# Altium PCB CC_V1.4.PcbDoc (part 5 of 8)
Units mm, origin at the board's own origin, x right, y up, seen from the top; angles counter-clockwise.
Board outline 145 x 123.85 mm, 4 copper layers (Top, GND, Power Plane, Bottom), stack 1.573 mm thick; 334 components, 307 nets, 1570 pads, 1725 vias.
Unrouted connection lines stored in the file: 33.
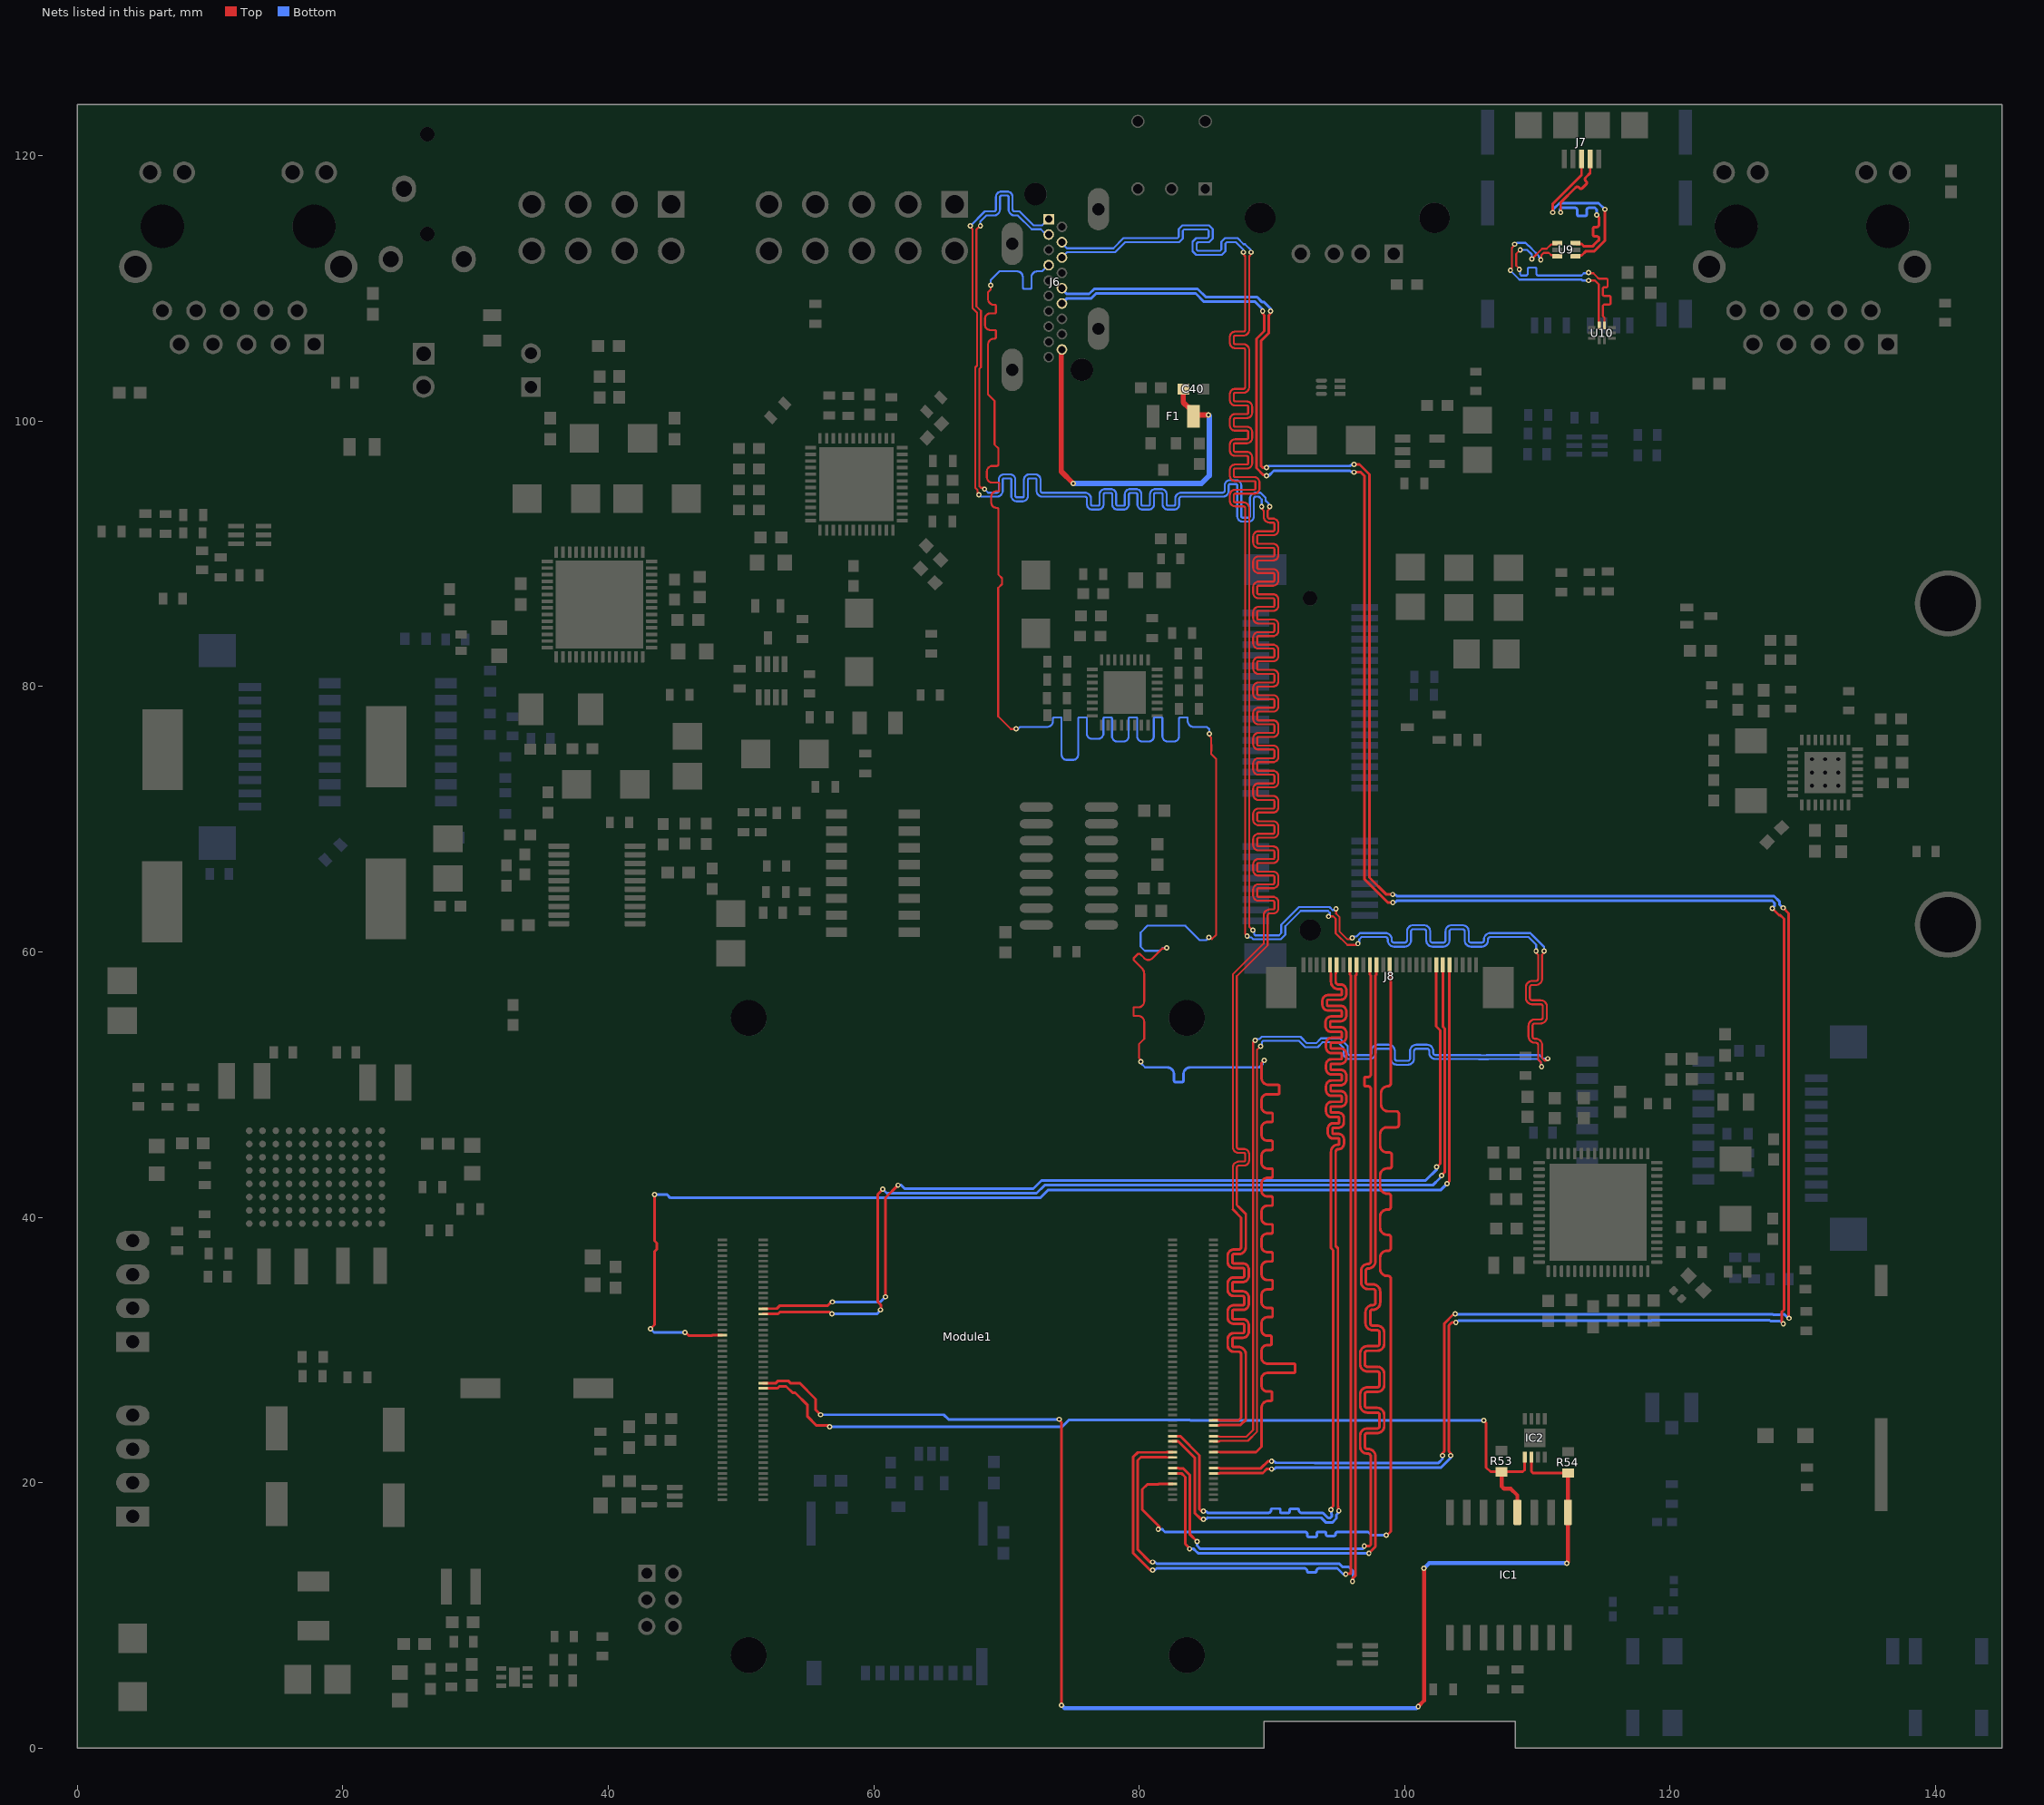
[diagram p7: the nets of this part, all layers, seen from the top]

## Via types
v1: diameter 0.4, hole 0.2, Top to Bottom, 1319 vias
v2: diameter 0.7, hole 0.4, Top to Bottom, 378 vias
v3: diameter 1.27, hole 0.711, Top to Bottom, 28 vias

## Nets (pads, with @x,y where several pads share a name; then routed paths per layer and width w, separated by ;. In a path a pad name is that pad's centre, name@x,y a point inside that pad or via, vN(x,y) a via of type N, cw(c..) or ccw(c..) an arc to the next point about the centre after c; other vN are vias at no path point) (continued)
HDMI_TX_0_P: J6.7 Module1.182 | length 181.7
  Top w0.15: v1(68.808,110.228) 68.808,109.904 68.608,109.704 68.608,109.436 68.608,109.211 ccw(c69.058,109.211) 69.058,108.761 69.104,108.761 cw(c69.104,108.663) 69.202,108.663 69.202,108.208 cw(c69.104,108.208) 69.104,108.111 68.776,108.111 ccw(c68.776,107.713) 68.379,107.713 68.379,107.258 ccw(c68.776,107.258) 68.776,106.861 69.104,106.861 cw(c69.104,106.764) 69.202,106.764 69.202,106.309 cw(c69.104,106.309) 69.104,106.211 69.058,106.211 ccw(c69.058,105.761) 68.608,105.761 68.608,102.015 69.102,101.522 69.102,100.365 69.102,100.272 69.096,100.266 69.096,98.229 69.387,97.939 69.4,97.926 69.4,96.764 cw(c69.25,96.764) 69.25,96.614 68.919,96.614 ccw(c68.919,96.217) 68.521,96.217 68.521,95.762 ccw(c68.919,95.762) 68.919,95.364 69.371,95.364 cw(c69.371,95.267) 69.468,95.267 69.468,94.812 cw(c69.371,94.812) 69.371,94.714 69.247,94.714 ccw(c69.247,94.317) 68.849,94.317 68.849,93.862 ccw(c69.247,93.862) 69.247,93.464 69.25,93.464 cw(c69.25,93.314) 69.4,93.314 69.4,88.423 69.667,88.157 69.667,87.718 69.377,87.429 69.377,78.745 69.377,78.458 69.377,77.749 70.326,76.8 v1(70.725,76.8) ; 79.886,59.825 79.611,59.551 ccw(c79.703,59.458) 79.611,59.366 79.879,59.098 80.191,58.786 ; 79.886,59.825 cw(c79.978,59.734) 80.07,59.826 ; 80.071,59.825 80.367,59.529 ccw(c80.686,59.847) 81.004,59.529 81.493,60.018 ccw(c81.387,60.124) 81.494,60.019 81.652,60.177 81.73,60.255 82.022,60.255 v1(82.07,60.303) ; v1(80.125,51.725) 80.125,51.873 79.975,52.023 79.975,52.6 79.975,53.05 80.375,53.45 80.375,54.725 ccw(c79.925,54.725) 79.925,55.175 79.573,55.175 79.573,55.825 79.925,55.825 ccw(c79.925,56.275) 80.375,56.275 80.375,56.858 80.375,57.874 80.375,58.342 ; 80.192,58.785 cw(c79.747,58.342) 80.375,58.343 ; v1(85.254,61.103) 85.347,61.103 85.475,60.975 85.788,61.288 85.788,74.538 85.425,74.901 85.425,75.152 85.429,75.156 85.429,75.594 85.425,75.598 85.425,76.127 85.275,76.277 v1(85.275,76.425)
  Top w0.2: Module1.182@85.584,22.32 86.034,22.32 86.059,22.295 88.792,22.295 89.205,22.708 89.205,22.742 89.205,25.625 cw(c89.755,25.625) 89.755,26.175 89.899,26.175 ccw(c89.899,26.28) 90.004,26.28 90.004,26.77 ccw(c89.899,26.77) 89.899,26.875 89.66,26.875 cw(c89.66,27.33) 89.205,27.33 89.205,27.82 cw(c89.66,27.82) 89.66,28.275 91.64,28.275 ccw(c91.64,28.38) 91.745,28.38 91.745,28.87 ccw(c91.64,28.87) 91.64,28.975 89.66,28.975 cw(c89.66,29.43) 89.205,29.43 89.205,29.92 cw(c89.66,29.92) 89.66,30.375 89.866,30.375 ccw(c89.866,30.48) 89.971,30.48 89.971,30.97 ccw(c89.866,30.97) 89.866,31.075 89.66,31.075 cw(c89.66,31.53) 89.205,31.53 89.205,32.02 cw(c89.66,32.02) 89.66,32.475 89.941,32.475 ccw(c89.941,32.58) 90.046,32.58 90.046,33.07 ccw(c89.941,33.07) 89.941,33.175 89.66,33.175 cw(c89.66,33.63) 89.205,33.63 89.205,34.12 cw(c89.66,34.12) 89.66,34.575 89.941,34.575 ccw(c89.941,34.68) 90.046,34.68 90.046,35.17 ccw(c89.941,35.17) 89.941,35.275 89.66,35.275 cw(c89.66,35.73) 89.205,35.73 89.205,36.22 cw(c89.66,36.22) 89.66,36.675 89.941,36.675 ccw(c89.941,36.78) 90.046,36.78 90.046,37.27 ccw(c89.941,37.27) 89.941,37.375 89.66,37.375 cw(c89.66,37.83) 89.205,37.83 89.205,38.32 cw(c89.66,38.32) 89.66,38.775 89.941,38.775 ccw(c89.941,38.88) 90.046,38.88 90.046,39.37 ccw(c89.941,39.37) 89.941,39.475 89.66,39.475 cw(c89.66,39.93) 89.205,39.93 89.205,40.42 cw(c89.66,40.42) 89.66,40.875 89.941,40.875 ccw(c89.941,40.98) 90.046,40.98 90.046,41.47 ccw(c89.941,41.47) 89.941,41.575 89.66,41.575 cw(c89.66,42.03) 89.205,42.03 89.205,42.52 cw(c89.66,42.52) 89.66,42.975 89.941,42.975 ccw(c89.941,43.08) 90.046,43.08 90.046,43.57 ccw(c89.941,43.57) 89.941,43.675 89.66,43.675 cw(c89.66,44.13) 89.205,44.13 89.205,44.62 cw(c89.66,44.62) 89.66,45.075 89.941,45.075 ccw(c89.941,45.18) 90.046,45.18 90.046,45.67 ccw(c89.941,45.67) 89.941,45.775 89.66,45.775 cw(c89.66,46.23) 89.205,46.23 89.205,46.72 cw(c89.66,46.72) 89.66,47.175 89.941,47.175 ccw(c89.941,47.28) 90.046,47.28 90.046,47.77 ccw(c89.941,47.77) 89.941,47.875 89.66,47.875 cw(c89.66,48.33) 89.205,48.33 89.205,48.82 cw(c89.66,48.82) 89.66,49.275 90.445,49.275 ccw(c90.445,49.38) 90.55,49.38 90.55,49.87 ccw(c90.445,49.87) 90.445,49.975 89.755,49.975 cw(c89.755,50.525) 89.205,50.525 89.205,50.8 89.205,51.623 v1(89.416,51.834)
  Bottom w0.15: v1(68.808,110.228) 68.808,110.627 69.407,111.227 69.468,111.287 69.632,111.287 ; 69.632,111.288 70.78,111.288 cw(c70.78,110.838) 71.23,110.838 71.23,110.062 ccw(c71.327,110.062) 71.327,109.965 71.782,109.965 ccw(c71.782,110.062) 71.88,110.062 71.88,110.838 cw(c72.33,110.838) 72.33,111.288 72.555,111.288 72.698,111.288 J6.7@73.125,111.715 ; v1(70.725,76.8) 70.873,76.8 71.023,76.95 71.65,76.95 71.712,76.95 71.999,76.95 73.05,76.95 ccw(c73.05,77.4) 73.5,77.4 73.5,77.578 cw(c73.598,77.578) 73.598,77.675 74.053,77.675 cw(c74.053,77.578) 74.15,77.578 74.15,74.864 ccw(c74.548,74.864) 74.548,74.466 75.003,74.466 ccw(c75.003,74.864) 75.4,74.864 75.4,77.578 cw(c75.498,77.578) 75.498,77.675 75.953,77.675 cw(c75.953,77.578) 76.05,77.578 76.05,76.451 ccw(c76.448,76.451) 76.448,76.054 76.903,76.054 ccw(c76.903,76.451) 77.3,76.451 77.3,77.578 cw(c77.398,77.578) 77.398,77.675 77.853,77.675 cw(c77.853,77.578) 77.95,77.578 77.95,76.247 ccw(c78.348,76.247) 78.348,75.85 78.803,75.85 ccw(c78.803,76.247) 79.2,76.247 79.2,77.578 cw(c79.298,77.578) 79.298,77.675 79.753,77.675 cw(c79.753,77.578) 79.85,77.578 79.85,76.247 ccw(c80.248,76.247) 80.248,75.85 80.703,75.85 ccw(c80.703,76.247) 81.1,76.247 81.1,77.578 cw(c81.198,77.578) 81.198,77.675 81.653,77.675 cw(c81.653,77.578) 81.75,77.578 81.75,76.247 ccw(c82.148,76.247) 82.148,75.85 82.603,75.85 ccw(c82.603,76.247) 83,76.247 83,77.578 ; v1(80.125,51.725) 80.125,51.626 80.45,51.301 ; v1(82.07,60.303) 82.066,60.299 81.774,60.299 81.558,60.083 80.418,60.083 80.1,60.401 80.1,61.449 80.626,61.975 83.464,61.975 83.475,61.964 84.55,60.889 84.795,60.889 85.04,60.889 v1(85.254,61.103) ; 83,77.578 cw(c83.098,77.578) 83.098,77.675 83.553,77.675 cw(c83.553,77.578) 83.65,77.578 83.65,77.4 ccw(c84.1,77.4) 84.1,76.95 85.1,76.95 85.275,76.775 v1(85.275,76.425)
  Bottom w0.2: 80.45,51.301 80.75,51.301 82.075,51.301 cw(c82.075,50.751) 82.625,50.751 82.625,50.303 ccw(c82.73,50.303) 82.73,50.198 83.22,50.198 ccw(c83.22,50.303) 83.325,50.303 83.325,50.751 cw(c83.875,50.751) 83.875,51.301 84.574,51.301 84.674,51.301 88.83,51.301 89.059,51.301 89.286,51.527 89.286,51.704 v1(89.416,51.834)
HDMI_TX_1_N: J6.6 Module1.178 | length 187.6
  Top w0.15: Module1.178@85.591,23.11 86.016,23.11 86.066,23.16 88.185,23.16 88.88,23.856 88.88,52.525 88.88,52.63 v1(89.15,52.9) ; v1(87.835,112.715) 87.835,112.567 87.985,112.417 87.985,106.893 cw(c87.835,106.893) 87.835,106.743 87.226,106.743 ccw(c87.226,106.345) 86.829,106.345 86.829,105.89 ccw(c87.226,105.89) 87.226,105.493 87.835,105.493 cw(c87.835,105.343) 87.985,105.343 87.985,104.927 87.985,102.578 cw(c87.835,102.578) 87.835,102.428 87.226,102.428 ccw(c87.226,102.031) 86.829,102.031 86.829,101.576 ccw(c87.226,101.576) 87.226,101.178 88.108,101.178 cw(c88.108,101.081) 88.205,101.081 88.205,100.626 cw(c88.108,100.626) 88.108,100.528 87.226,100.528 ccw(c87.226,100.131) 86.829,100.131 86.829,99.676 ccw(c87.226,99.676) 87.226,99.278 88.108,99.278 cw(c88.108,99.181) 88.205,99.181 88.205,98.726 cw(c88.108,98.726) 88.108,98.628 87.226,98.628 ccw(c87.226,98.231) 86.829,98.231 86.829,97.776 ccw(c87.226,97.776) 87.226,97.378 88.108,97.378 cw(c88.108,97.281) 88.205,97.281 88.205,96.826 cw(c88.108,96.826) 88.108,96.728 87.226,96.728 ccw(c87.226,96.331) 86.829,96.331 86.829,95.876 ccw(c87.226,95.876) 87.226,95.478 88.659,95.478 cw(c88.659,95.381) 88.756,95.381 88.756,94.926 cw(c88.659,94.926) 88.659,94.828 87.226,94.828 ccw(c87.226,94.431) 86.829,94.431 86.829,93.976 ccw(c87.226,93.976) 87.226,93.578 87.835,93.578 cw(c87.835,93.428) 87.985,93.428 87.985,93.203 87.985,61.349 v1(88.13,61.204) ; v1(94.255,62.678) 94.617,62.678 94.798,62.498 94.798,61.402 95.679,60.521 96.37,60.521 v1(96.474,60.626) ; v1(109.9,60.075) 109.9,59.927 110.05,59.777 110.05,59.654 110.05,57.979 cw(c109.878,57.979) 109.878,57.807 109.597,57.807 ccw(c109.597,57.334) 109.125,57.334 109.125,56.529 ccw(c109.597,56.529) 109.597,56.057 110.234,56.057 cw(c110.234,55.884) 110.406,55.884 110.406,55.079 cw(c110.234,55.079) 110.234,54.907 109.801,54.907 ccw(c109.801,54.434) 109.329,54.434 109.329,53.629 ccw(c109.801,53.629) 109.801,53.157 109.878,53.157 cw(c109.878,52.984) 110.05,52.984 110.05,52.251 110.05,51.901 110.264,51.687 110.264,51.389 v1(110.312,51.341)
  Bottom w0.15: J6.6@74.177,112.244 74.177,112.344 74.552,112.72 78.176,112.72 78.94,113.483 82.714,113.483 83.001,113.483 83.276,113.757 83.276,114.342 83.374,114.441 85.136,114.441 85.235,114.342 85.235,113.882 85.136,113.783 84.297,113.783 84.022,113.508 84.022,112.799 84.297,112.525 86.218,112.525 86.493,112.799 86.493,113.384 86.591,113.483 86.754,113.483 87.287,113.483 87.835,112.935 v1(87.835,112.715) ; v1(88.13,61.204) 88.235,61.099 88.447,61.099 88.598,60.948 90.647,60.948 91,61.301 91,61.926 92.162,63.088 94.212,63.088 94.35,62.95 94.35,62.773 v1(94.255,62.678) ; v1(89.15,52.9) 89.255,53.005 89.255,53.217 89.344,53.306 92.022,53.306 92.507,52.821 93.445,52.821 93.812,53.188 94.987,53.188 95.4,52.775 95.4,52.201 95.596,52.004 95.678,51.923 95.821,51.923 ; 95.821,51.923 97.33,51.923 ccw(c97.33,52.395) 97.803,52.395 97.803,52.532 cw(c97.975,52.532) 97.975,52.705 98.78,52.705 cw(c98.78,52.532) 98.953,52.532 98.953,51.967 ccw(c99.425,51.967) 99.425,51.494 100.23,51.494 ccw(c100.23,51.967) 100.703,51.967 100.703,52.532 cw(c100.875,52.532) 100.875,52.705 101.68,52.705 cw(c101.68,52.532) 101.853,52.532 101.853,52.395 ccw(c102.325,52.395) 102.325,51.923 105.589,51.923 105.597,51.914 106.284,51.914 106.293,51.923 109.8,51.923 110.023,51.923 110.264,51.682 110.264,51.389 v1(110.312,51.341) ; v1(96.474,60.626) 96.579,60.73 96.579,60.943 96.756,61.119 96.875,61.119 98.55,61.119 cw(c98.55,60.947) 98.723,60.947 98.723,60.869 ccw(c99.195,60.869) 99.195,60.397 100,60.397 ccw(c100,60.869) 100.473,60.869 100.473,61.54 cw(c100.645,61.54) 100.645,61.713 101.45,61.713 cw(c101.45,61.54) 101.622,61.54 101.622,60.869 ccw(c102.095,60.869) 102.095,60.397 102.9,60.397 ccw(c102.9,60.869) 103.372,60.869 103.372,61.54 cw(c103.545,61.54) 103.545,61.713 104.35,61.713 cw(c104.35,61.54) 104.522,61.54 104.522,60.869 ccw(c104.995,60.869) 104.995,60.397 105.8,60.397 ccw(c105.8,60.869) 106.272,60.869 106.272,60.947 cw(c106.445,60.947) 106.445,61.119 109.331,61.119 109.363,61.087 109.65,60.8 109.9,60.55 v1(109.9,60.075)
HDMI_TX_1_P: J6.4 Module1.176 | length 188.1
  Top w0.15: Module1.176@85.591,23.51 86.016,23.51 86.066,23.46 88.06,23.46 88.58,23.98 88.58,52.55 88.58,53.178 v1(88.726,53.324) ; v1(88.435,112.715) 88.435,112.567 88.285,112.417 88.285,106.893 cw(c87.835,106.893) 87.835,106.443 87.226,106.443 ccw(c87.226,106.345) 87.129,106.345 87.129,105.89 ccw(c87.226,105.89) 87.226,105.793 87.835,105.793 cw(c87.835,105.343) 88.285,105.343 88.285,104.927 88.285,102.578 cw(c87.835,102.578) 87.835,102.128 87.226,102.128 ccw(c87.226,102.031) 87.129,102.031 87.129,101.576 ccw(c87.226,101.576) 87.226,101.478 88.108,101.478 cw(c88.108,101.081) 88.505,101.081 88.505,100.626 cw(c88.108,100.626) 88.108,100.228 87.226,100.228 ccw(c87.226,100.131) 87.129,100.131 87.129,99.676 ccw(c87.226,99.676) 87.226,99.578 88.108,99.578 cw(c88.108,99.181) 88.505,99.181 88.505,98.726 cw(c88.108,98.726) 88.108,98.328 87.226,98.328 ccw(c87.226,98.231) 87.129,98.231 87.129,97.776 ccw(c87.226,97.776) 87.226,97.678 88.108,97.678 cw(c88.108,97.281) 88.505,97.281 88.505,96.826 cw(c88.108,96.826) 88.108,96.428 87.226,96.428 ccw(c87.226,96.331) 87.129,96.331 87.129,95.876 ccw(c87.226,95.876) 87.226,95.778 88.659,95.778 cw(c88.659,95.381) 89.056,95.381 89.056,94.926 cw(c88.659,94.926) 88.659,94.528 87.226,94.528 ccw(c87.226,94.431) 87.129,94.431 87.129,93.976 ccw(c87.226,93.976) 87.226,93.878 87.835,93.878 cw(c87.835,93.428) 88.285,93.428 88.285,93.203 88.285,61.897 v1(88.554,61.628) ; v1(94.83,63.253) 94.83,62.89 95.098,62.622 95.098,61.526 95.662,60.962 95.962,60.962 v1(96.05,61.05) ; v1(110.5,60.075) 110.5,59.927 110.35,59.777 110.35,59.654 110.35,57.979 cw(c109.878,57.979) 109.878,57.507 109.597,57.507 ccw(c109.597,57.334) 109.425,57.334 109.425,56.529 ccw(c109.597,56.529) 109.597,56.357 110.234,56.357 cw(c110.234,55.884) 110.706,55.884 110.706,55.079 cw(c110.234,55.079) 110.234,54.607 109.801,54.607 ccw(c109.801,54.434) 109.629,54.434 109.629,53.629 ccw(c109.801,53.629) 109.801,53.457 109.878,53.457 cw(c109.878,52.984) 110.35,52.984 110.35,52.251 110.35,52.025 110.575,51.8 110.628,51.8 v1(110.78,51.953)
  Bottom w0.15: J6.4@74.125,113.447 74.552,113.019 74.872,113.019 75.191,113.019 76.461,113.019 78.052,113.019 78.815,113.783 79.786,113.783 82.714,113.783 82.877,113.783 82.976,113.882 82.976,114.466 83.25,114.741 85.26,114.741 85.535,114.466 85.535,113.757 85.26,113.483 84.421,113.483 84.322,113.384 84.322,112.924 84.421,112.825 86.094,112.825 86.193,112.924 86.193,113.508 86.467,113.783 86.754,113.783 87.411,113.783 87.867,113.327 87.971,113.327 88.387,112.911 88.387,112.763 v1(88.435,112.715) ; v1(88.554,61.628) 88.659,61.523 88.659,61.311 88.723,61.248 90.523,61.248 90.7,61.425 90.7,62.05 92.038,63.388 94.336,63.388 94.562,63.162 94.739,63.162 v1(94.83,63.253) ; v1(88.726,53.324) 88.83,53.429 89.043,53.429 89.22,53.606 92.146,53.606 92.631,53.121 93.321,53.121 93.688,53.488 95.111,53.488 95.596,53.003 95.7,52.899 95.7,52.325 95.802,52.223 95.821,52.223 ; 95.821,52.223 97.33,52.223 ccw(c97.33,52.395) 97.503,52.395 97.503,52.532 cw(c97.975,52.532) 97.975,53.005 98.78,53.005 cw(c98.78,52.532) 99.253,52.532 99.253,51.967 ccw(c99.425,51.967) 99.425,51.794 100.23,51.794 ccw(c100.23,51.967) 100.403,51.967 100.403,52.532 cw(c100.875,52.532) 100.875,53.005 101.68,53.005 cw(c101.68,52.532) 102.153,52.532 102.153,52.395 ccw(c102.325,52.395) 102.325,52.223 105.713,52.223 105.722,52.214 106.16,52.214 106.169,52.223 109.8,52.223 110.147,52.223 110.418,51.953 v1(110.78,51.953) ; v1(96.05,61.05) 96.155,61.155 96.367,61.155 96.631,61.419 96.875,61.419 98.55,61.419 cw(c98.55,60.947) 99.023,60.947 99.023,60.869 ccw(c99.195,60.869) 99.195,60.697 100,60.697 ccw(c100,60.869) 100.173,60.869 100.173,61.54 cw(c100.645,61.54) 100.645,62.013 101.45,62.013 cw(c101.45,61.54) 101.922,61.54 101.922,60.869 ccw(c102.095,60.869) 102.095,60.697 102.9,60.697 ccw(c102.9,60.869) 103.072,60.869 103.072,61.54 cw(c103.545,61.54) 103.545,62.013 104.35,62.013 cw(c104.35,61.54) 104.822,61.54 104.822,60.869 ccw(c104.995,60.869) 104.995,60.697 105.8,60.697 ccw(c105.8,60.869) 105.972,60.869 105.972,60.947 cw(c106.445,60.947) 106.445,61.419 109.455,61.419 109.575,61.299 109.65,61.224 110.5,60.374 v1(110.5,60.075)
HDMI_TX_2_N: J6.3 Module1.172 | length 193.5
  Top w0.15: 67.95,95.099 68.07,94.98 68.245,94.98 v1(68.35,94.875) ; 67.95,95.1 67.95,101.775 67.95,102.711 67.95,103.928 68.079,104.057 68.079,108.299 67.733,108.645 67.733,112.323 67.733,114.342 67.733,114.441 68.008,114.716 v1(68.036,114.716) ; 87.445,40.836 87.35,40.93 87.35,43.75 cw(c87.5,43.75) 87.5,43.9 87.882,43.9 ccw(c87.882,44.298) 88.28,44.298 88.28,44.753 ccw(c87.882,44.753) 87.882,45.15 87.5,45.15 cw(c87.5,45.3) 87.35,45.3 87.35,58.176 89.675,60.501 89.675,62.75 cw(c89.825,62.75) 89.825,62.9 90.082,62.9 ccw(c90.082,63.298) 90.48,63.298 90.48,63.753 ccw(c90.082,63.753) 90.082,64.15 88.982,64.15 cw(c88.982,64.248) 88.885,64.248 88.885,64.703 cw(c88.982,64.703) 88.982,64.8 90.082,64.8 ccw(c90.082,65.198) 90.48,65.198 90.48,65.653 ccw(c90.082,65.653) 90.082,66.05 88.982,66.05 cw(c88.982,66.148) 88.885,66.148 88.885,66.603 cw(c88.982,66.603) 88.982,66.7 90.082,66.7 ccw(c90.082,67.098) 90.48,67.098 90.48,67.553 ccw(c90.082,67.553) 90.082,67.95 88.982,67.95 cw(c88.982,68.048) 88.885,68.048 88.885,68.503 cw(c88.982,68.503) 88.982,68.6 90.082,68.6 ccw(c90.082,68.998) 90.48,68.998 90.48,69.453 ccw(c90.082,69.453) 90.082,69.85 88.982,69.85 cw(c88.982,69.948) 88.885,69.948 88.885,70.403 cw(c88.982,70.403) 88.982,70.5 90.082,70.5 ccw(c90.082,70.898) 90.48,70.898 90.48,71.353 ccw(c90.082,71.353) 90.082,71.75 88.982,71.75 cw(c88.982,71.848) 88.885,71.848 88.885,72.303 cw(c88.982,72.303) 88.982,72.4 90.082,72.4 ccw(c90.082,72.798) 90.48,72.798 90.48,73.253 ccw(c90.082,73.253) 90.082,73.65 88.982,73.65 cw(c88.982,73.748) 88.885,73.748 88.885,74.203 cw(c88.982,74.203) 88.982,74.3 90.082,74.3 ccw(c90.082,74.698) 90.48,74.698 90.48,75.153 ccw(c90.082,75.153) 90.082,75.55 88.982,75.55 cw(c88.982,75.648) 88.885,75.648 88.885,76.103 cw(c88.982,76.103) 88.982,76.2 90.082,76.2 ccw(c90.082,76.598) 90.48,76.598 90.48,77.053 ccw(c90.082,77.053) 90.082,77.45 88.982,77.45 cw(c88.982,77.548) 88.885,77.548 88.885,78.003 cw(c88.982,78.003) 88.982,78.1 90.082,78.1 ccw(c90.082,78.498) 90.48,78.498 90.48,78.953 ccw(c90.082,78.953) 90.082,79.35 88.982,79.35 cw(c88.982,79.448) 88.885,79.448 88.885,79.903 cw(c88.982,79.903) 88.982,80 90.082,80 ccw(c90.082,80.398) 90.48,80.398 90.48,80.853 ccw(c90.082,80.853) 90.082,81.25 88.982,81.25 cw(c88.982,81.348) 88.885,81.348 88.885,81.803 cw(c88.982,81.803) 88.982,81.9 90.082,81.9 ccw(c90.082,82.298) 90.48,82.298 90.48,82.753 ccw(c90.082,82.753) 90.082,83.15 88.982,83.15 cw(c88.982,83.248) 88.885,83.248 88.885,83.703 cw(c88.982,83.703) 88.982,83.8 90.082,83.8 ccw(c90.082,84.198) 90.48,84.198 90.48,84.653 ccw(c90.082,84.653) 90.082,85.05 88.982,85.05 cw(c88.982,85.148) 88.885,85.148 88.885,85.603 cw(c88.982,85.603) 88.982,85.7 90.082,85.7 ccw(c90.082,86.098) 90.48,86.098 90.48,86.553 ccw(c90.082,86.553) 90.082,86.95 88.982,86.95 cw(c88.982,87.048) 88.885,87.048 88.885,87.503 cw(c88.982,87.503) 88.982,87.6 90.082,87.6 ccw(c90.082,87.998) 90.48,87.998 90.48,88.453 ccw(c90.082,88.453) 90.082,88.85 88.982,88.85 cw(c88.982,88.948) 88.885,88.948 88.885,89.403 cw(c88.982,89.403) 88.982,89.5 90.082,89.5 ccw(c90.082,89.898) 90.48,89.898 90.48,90.353 ccw(c90.082,90.353) 90.082,90.75 88.982,90.75 cw(c88.982,90.847) 88.885,90.847 88.885,91.302 cw(c88.982,91.302) 88.982,91.4 90.082,91.4 ccw(c90.082,91.797) 90.48,91.797 90.48,92.252 ccw(c90.082,92.252) 90.082,92.65 89.825,92.65 cw(c89.825,92.8) 89.675,92.8 89.675,93.252 89.825,93.402 v1(89.825,93.55)
  Top w0.2: Module1.172@85.584,24.32 86.034,24.32 86.059,24.345 87.623,24.345 88.031,24.753 88.031,27.725 88.031,28.775 88.031,29.4 88.031,29.675 ccw(c87.481,29.675) 87.481,30.225 87.122,30.225 cw(c87.122,30.33) 87.017,30.33 87.017,30.82 cw(c87.122,30.82) 87.122,30.925 87.8,30.925 ccw(c87.8,31.38) 88.255,31.38 88.255,31.87 ccw(c87.8,31.87) 87.8,32.325 87.122,32.325 cw(c87.122,32.43) 87.017,32.43 87.017,32.92 cw(c87.122,32.92) 87.122,33.025 87.8,33.025 ccw(c87.8,33.48) 88.255,33.48 88.255,33.97 ccw(c87.8,33.97) 87.8,34.425 87.122,34.425 cw(c87.122,34.53) 87.017,34.53 87.017,35.02 cw(c87.122,35.02) 87.122,35.125 87.8,35.125 ccw(c87.8,35.58) 88.255,35.58 88.255,36.07 ccw(c87.8,36.07) 87.8,36.525 87.122,36.525 cw(c87.122,36.63) 87.017,36.63 87.017,37.12 cw(c87.122,37.12) 87.122,37.225 87.481,37.225 ccw(c87.481,37.775) 88.031,37.775 88.031,39.182 88.031,40.25 87.445,40.836